# Altium PCB tools.PcbDoc (part 2 of 2)
Units mil, origin at the board's own origin, x right, y up, seen from the top; angles counter-clockwise.
Board outline 3234.68 x 4248.06 mil, 2 copper layers (Top Layer, Bottom Layer); 96 components, 68 nets, 398 pads, 109 vias.
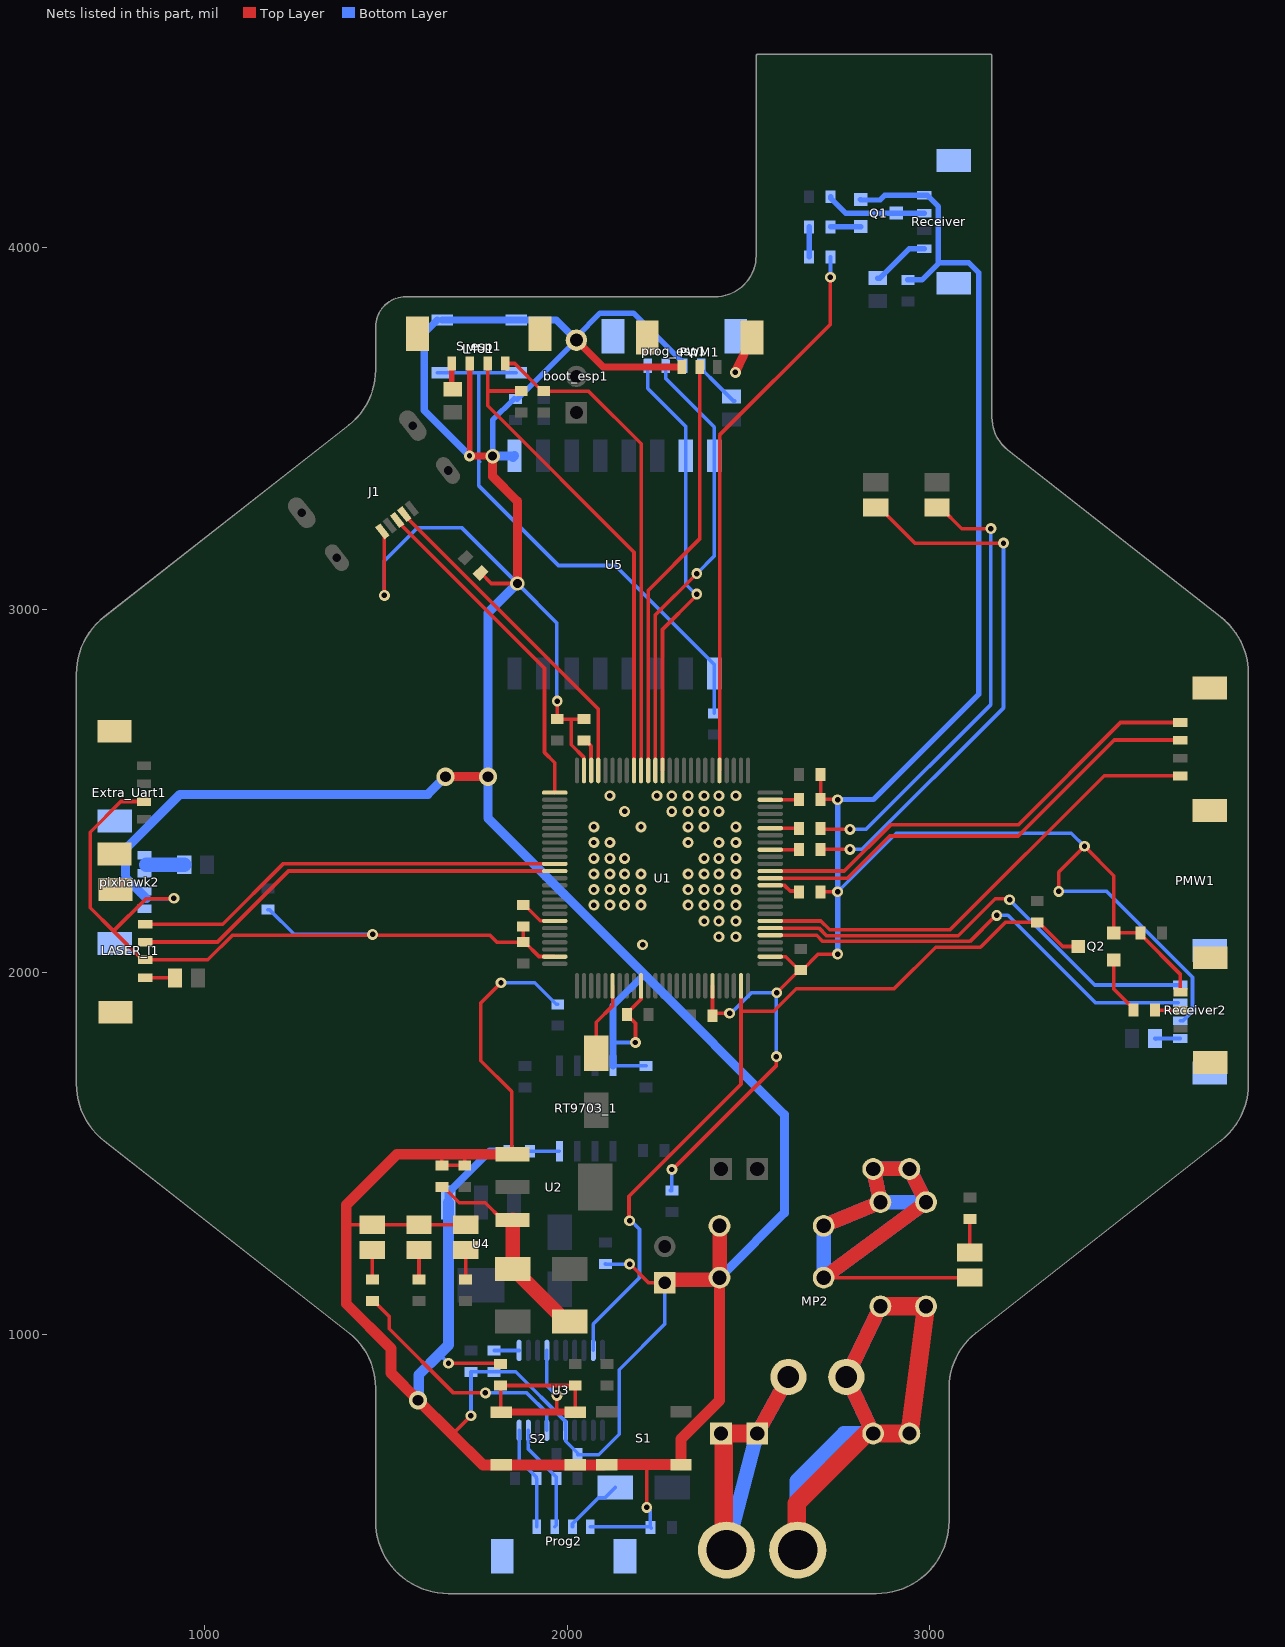
[diagram p2: the nets of this part, all layers, seen from the top]

## Via types
v1: diameter 30, hole 15, Top Layer to Bottom Layer, tented both sides, 102 vias
v2: diameter 50, hole 30, Top Layer to Bottom Layer, tented both sides, 3 vias
v3: diameter 40, hole 25, Top Layer to Bottom Layer, tented both sides, 3 vias
v4: diameter 40, hole 20, Top Layer to Bottom Layer, tented both sides, 1 vias

## Nets (pads, with @x,y where several pads share a name; then routed paths per layer and width w, separated by ;. In a path a pad name is that pad's centre, name@x,y a point inside that pad or via, vN(x,y) a via of type N, cw(c..) or ccw(c..) an arc to the next point about the centre after c; other vN are vias at no path point) (continued)
GND: 3.1 boot_esp1.3 C1.2 C2.2 C3.1 C4.1 C5.1 C6.1 C7.1 C8.1 C9.1 C11.1 C12.1 C13.1 C14.2 C15.2 C16.2 C17.1 C18.1 C19.1 C20.1 C25.1 C26.1 Extra_Uart1.0 Extra_Uart1.2 FB8.2 FB10.2 IMU1.0 IMU1.2 ipCamera?.1 J1.5 LASER_I1.0 LASER_I1.2 LED3.1 LEDT2.1 ON1.1 pixhawk2.0 pixhawk2.3 pixhawk2.4 PMW1.0 PMW1.GND Prog2.0 Prog2.4 prog_esp1.0 prog_esp1.2 PWM1.0 PWM1.1 Q1.3 Q2.3 R4.2 R7.1 R9.2 R16.1 R20.1 Receiver2.0 Receiver2.1 Receiver.0 Receiver.4 RT9703_1.GND S1.2 S2.1 S_esp1.2 U1.10 U1.20 U1.27 U1.74 U1.99 U2.1 U3.15 U4.1 U5.9 | length 24240.4
  Top Layer w10: Extra_Uart1.2@832,2471 767.83,2471 683,2386.17 683,2178.13 747.56,2113.56 ; v1@914,2203 837,2203 747.56,2113.56 ; 1390,1123 1393,1120 ; 1390,1300 1393,1303 LEDT2.1@1462,1303 ON1.1@1590.59,1303 LED3.1@1719.18,1303 ; J1.5@1489.82,3216.64 1489.82,3214.47 1495,3209.29 v1(1495,3040) ; 1654.74,1497.55 1653.87,1496.68 C3.1@1653.87,1466.96 C4.1@1716.77,1466.96 ; v1(1672,921) 1813.53,921 C11.1@1816,918.53 ; 1682.5,724.5 v1(1734,776) ; 1716.77,1497.55 C4.1@1716.77,1466.96 ; C4.1@1720.71,1466.96 C4.1@1716.77,1466.96 ; v1(1730,3425) v1@1730.5,3424.5 ; IMU1.2@1730.39,3679.61 IMU1.2@1730.79,3680 ; C9.1@1760.88,3102 1790.16,3072.71 v3(1862.29,3072.71) ; v3@1793.5,3424.5 v3(1794,3424) ; v1(1817,1971) 1760.88,1914.88 1760.88,1756 1846.28,1670.6 U2.1@1846.28,1497.55 ; U2.1@1834.27,1497.55 U2.1@1846.28,1497.55 ; U2.1@1849,1497.72 U2.1@1848.83,1497.55 ; U2.1@1861.83,1497.55 U2.1@1848.83,1497.55 ; R9.2@1878.25,2126.13 C7.1@1878.25,2082.83 ; U1.99@1965.39,2043.01 1965.05,2043.35 1921.66,2043.35 1882.19,2082.83 C7.1@1878.25,2082.83 ; C26.1@1972,2695.74 C26.1@1972,2698.53 v1(1972,2748.21) ; C26.1@1984,2698.53 2008,2698.53 ; U1.74@2046.1,2556.79 2045.76,2557.13 2045.76,2592.77 2011,2627.52 2011,2695.53 2008,2698.53 ; C2.2@2046.1,2698.53 2008,2698.53 ; v1@2173.23,1193.9 2224.13,1143 ipCamera?.1@2269,1143 ; v1(2188,1806) 2188,1859.47 C6.1@2164.47,1883 2164.47,1886.94 2203.24,1925.7 2203.24,1961.95 U1.10@2203.58,1962.3 ; 2218,641 2219,640 v1(2219,523) ; 2233,648 2240,641 ; v1(2288.53,1455.53) 2290.17,1455.53 2336.87,1502.23 2577,1742.35 v1(2577,1767) ; U1.20@2400.43,1962.3 2400.66,1962.07 2400.66,1880.23 C5.1@2400.89,1880 2407.37,1886.48 2447.86,1886.48 v1(2448,1886.62) ; U1.27@2559.88,2043.01 2560.23,2042.66 2602.87,2042.66 C8.1@2640.06,2005.47 ; v1(2577.8,1943.2) C8.1@2640.06,2005.47 ; R7.1@2698.91,2221 2698.91,2218.78 2702.13,2222 v1(2746,2222) ; C25.1@2698.91,2545.59 C1.2@2698.91,2477 2741,2477 v1@2740,2476 ; v1@2743,2050 2692.46,2050 2647.94,2005.47 C8.1@2644,2005.47 C8.1@2640.06,2005.47 ; v1(3356,2223) 3356,2276.28 v1(3427.17,2347.44) 3508.21,2266.39 Q2.3@3508.21,2108.4 C20.1@3581.47,2108.4 3581.47,2104.46 3691,1994.94 3691,1945.83 Receiver2.1@3692.31,1944.53 ; 747.56,2113.56 827.13,2034 LASER_I1.2@835,2034 1007.87,2034 1075.87,2102 1786.65,2102 1805.83,2082.83 C7.1@1878.25,2082.83 ; U2.1@1846.28,1497.55 1846.28,1495 U2.1@1848.83,1497.55 ; U2.1@1846.28,1497.55 U2.1@1848.83,1497.55
  Top Layer w15: v1@1730.39,3431.61 IMU1.2@1730.39,3679.61
  Top Layer w20: v1@1730.5,3424.5 v3@1793.5,3424.5 ; boot_esp1.3@2025,3744.3 2099.3,3670 PWM1.1@2315.79,3670
  Top Layer w25: v2(1663.5,2539.5) v2@1777.5,2539.5 ; v2(1781,2539.5) v2@1777.5,2539.5 ; v2@1781,2543 v2@1777.5,2539.5 ; v3(1794,3424) 1794,3368 1862.29,3299.71 v3(1862.29,3072.71) ; v1(2463.58,3655.27) PWM1.0@2509.68,3751.69
  Top Layer w30: 1680,727 v2(1588.1,818.9) 1513,894 1513,962 1390,1085 1390,1123 1390,1300 1390,1357.47 1530.08,1497.55 1654.74,1497.55 1716.77,1497.55 U2.1@1834.27,1497.55 ; 1682.5,724.5 1767,640 1816.95,640 S2.1@1817.28,640.33 S2.1@2022,640.33 S1.2@2100.28,640.33 ; S1.2@2109,641 2218,641 2240,641 S1.2@2313.72,641 2313.72,711.7 2419.98,817.95 FB8.2@2419.98,1157 FB8.2@2414.24,1151.26 ; ipCamera?.1@2269,1143 ipCamera?.1@2277.26,1151.26
  Top Layer w40: ipCamera?.1@2277.26,1151.26 FB8.2@2414.24,1151.26 ; FB8.2@2419.98,1157 FB10.2@2419.98,1300
  Bottom Layer w10: 838.5,2203.5 839,2203 v1@914,2203 ; C18.1@1174,2172.47 1177.94,2172.47 1245.98,2104.43 v1(1462.67,2104.43) ; v1(1495,3040) 1495,3134.69 1587.31,3227 1708,3227 v3(1862.29,3072.71) 1971,2964 v1@1971,2753 ; S_esp1.2@1640.96,3800 S_esp1.2@1654.74,3800 ; 1650,949 1650,943 v1(1672,921) ; v1(1734,776) 3.1@1734,897.02 R16.1@1798,897.02 1857.98,897.02 1994.8,760.2 U3.15@1994.8,735.76 1995.52,735.04 1995.52,705.58 C13.1@2028.53,672.57 ; v1(1817,1971) 1910.31,1971 1969.78,1911.53 C15.2@1973.72,1911.53 ; R4.2@1853,3581.59 R4.2@1862.29,3581.59 ; R4.2@1853.06,3582.53 R4.2@1857,3582.53 ; boot_esp1.3@2025,3744.3 boot_esp1.3@2025,3753.39 ; C13.1@2028.53,668.63 2086.4,668.63 2143,725.23 2143,903 2269,1029 ipCamera?.1@2269,1143 ipCamera?.1@2264,1138 ; Prog2.4@2063.43,470 2227.5,470 C12.1@2229,468.5 ; C14.2@2105.31,1194.88 2105.81,1194.39 v1(2171.75,1194.39) 2172.24,1194.88 v1@2173.23,1193.9 ; RT9703_1.GND@2125.82,1742.11 2126.4,1741.53 C19.1@2217,1741.53 ; 2133,1806 v1(2188,1806) ; v1(2219,523) 2229,513 C12.1@2229,468.5 ; C12.1@2232,465.5 C12.1@2229.47,468.03 C12.1@2229,468.5 ; C16.2@2284.59,1397.53 C16.2@2288.53,1397.53 v1(2288.53,1455.53) ; prog_esp1.2@2320.32,3673.31 prog_esp1.2@2320.32,3681.18 ; v1(2448,1886.62) 2451.39,1886.62 2507.98,1943.2 v1(2577.8,1943.2) 2577,1942.41 v1(2577,1767) ; v1(2746,2222) 2907.86,2383.86 3390.75,2383.86 v1(3427.17,2347.44) ; v1(3356,2223) 3488.61,2223 3725.39,1986.22 3725.39,1892.49 3699.18,1866.28 PMW1.GND@3691.31,1866.28
  Bottom Layer w15: v3(1794,3424) 1794,3523.46 R4.2@1853.06,3582.53 ; R4.2@1862.29,3581.59 boot_esp1.3@2025,3744.3 ; boot_esp1.3@2025,3753.39 2090.61,3819 2182.5,3819 prog_esp1.2@2320.32,3681.18 ; v1(2746,2050) v1(2746,2222) v1(2746,2476) ; v1(2746,2476) 2844.68,2476.68 3135,2767 3135,3930.63 3107.63,3958 3025.76,3958 3024,3956.24 ; Q1.3@2809.79,4132.4 2808.8,4132.4 2810.2,4131 2863,4131 2876.21,4144.21 Receiver.4@2985,4144.21 2992.87,4144.21 3024,4113.09 3024,3956.24 ; C17.1@2940,3910.53 2978.29,3910.53 3024,3956.24
  Bottom Layer w20: S_esp1.2@1640.96,3800 1605.12,3764.16 1605.12,3549.88 v1(1730,3425) ; S_esp1.2@1654.74,3800 S_esp1.2@1859.47,3800 1969.3,3800 boot_esp1.3@2020.46,3748.85 ; U4.1@1671.45,1364.17 1671.45,1391.73 1785.61,1505.89 1836.47,1505.89 R20.1@1836.97,1506.39 ; RT9703_1.GND@2125.82,1742.11 2125.82,1806 2125.82,1907.82 2211.98,1993.98
  Bottom Layer w25: 838.5,2203.5 781,2261 781,2341 931,2491 1615,2491 v2(1663.5,2539.5) ; v3(1794,3424) 1847.21,3424 1850.21,3421 U5.9@1854.41,3425.2 ; v3(1862.29,3072.71) 1781,2991.43 v2(1781,2539.5) 1781,2424.96 2211.98,1993.98 2599,1606.96 2599,1336 FB8.2@2441,1178
  Bottom Layer w30: v2(1588.1,818.9) 1589.9,820.69 1589.9,888.9 1650,949 1672,971 1672,1363.62 U4.1@1671.45,1364.17 ; ipCamera?.1@2269,1143 2277.26,1151.26 2414.24,1151.26 FB8.2@2419.98,1157 FB10.2@2419.98,1300
  other v1: 2207.68,2075.79 2418.24,2098 2465.24,2098 2377.24,2141 2418.24,2141 2465.24,2141 2073.24,2185 2117.24,2185 2158.24,2185 2203.24,2185 2333.24,2185 2377.24,2185 2418.24,2185 2465.24,2185 914,2204 2073.24,2228 2117.24,2228 2158.24,2228 2203.24,2228 2333.24,2228 2377.24,2228 2418.24,2228 2465.24,2228 2073.24,2271 2117.24,2271 2158.24,2271 2203.24,2271 2333.24,2271 2377.24,2271 2418.24,2271 2465.24,2271 2073.24,2314 2117.24,2314 2158.24,2314 2377.24,2314 2418.24,2314 2465.24,2314 2073.24,2358 2117.24,2358 2333.24,2358 2418.24,2358 2465.24,2358 2073.24,2401 2203.24,2401 2333.24,2401 2377.24,2401 2465.24,2401 2158.24,2444 2288.24,2444 2333.24,2444 2377.24,2444 2418.24,2444 2117.24,2487 2247.24,2487 2288.24,2487 2333.24,2487 2377.24,2487 2418.24,2487 2465.24,2487
LEDB: R10.2 U1.42 | length 80
  Top Layer w10: U1.42@2559.88,2338.28 R10.2@2639.86,2338.28
LEDG: R11.2 U1.45 | length 80.4
  Top Layer w10: U1.45@2559.88,2397.34 2638.87,2397.34 R11.2@2639.86,2396.35
LEDT1: R26.1 U3.17 | length 685.4
  Top Layer w10: R26.1@1462,1092.47 1465.94,1092.47 1508.36,1050.05 1508.36,1016.25 1685.61,839 v1(1774,839)
  Bottom Layer w10: v1@1766.47,841 1768.47,839 v1(1774,839) 1888,839 1943.61,783.39 U3.17@1943.61,735.76
MGND: FB8.1 FB9.2 FB10.1 FB11.2 LED4.1 MP2.GND2 | length 2300.9
  Top Layer w10: FB8.1@2707.38,1157 LED4.1@3105,1157
  Top Layer w40: FB8.1@2707.38,1157 FB11.2@2990,1365.4 MP2.GND2@2944,1457 MP2.GND2@2844,1457 FB9.2@2864,1365.4 FB10.1@2707.38,1300
  Bottom Layer w40: FB9.2@2864,1365.4 FB10.1@2707.38,1300 FB8.1@2707.38,1157 FB11.2@2990,1365.4 ; FB9.2@2864,1365.4 MP2.GND2@2844,1457 MP2.GND2@2944,1457 FB11.2@2990,1365.4 ; FB9.2@2864,1365.4 FB11.2@2990,1365.4
"Micro Rx(laser_Tx)": LASER_I1.3 U1.87 | length 1211.6
  Top Layer w10: LASER_I1.3@835,2083.21 1034.45,2083.21 1230.47,2279.23 U1.87@1965.39,2279.23
"Micro Tx(laser_Rx)": LASER_I1.4 U1.86 | length 1199.4
  Top Layer w10: LASER_I1.4@835,2132.43 1048.76,2132.43 1215.25,2298.91 U1.86@1965.39,2298.91
Micro_Rx(ESP_Tx): prog_esp1.3 U1.64 U5.16 | length 1239.6
  Top Layer w10: U1.64@2242.95,2556.79 2242.95,2985.95 v1(2357,3100)
  Bottom Layer w10: prog_esp1.3@2271.1,3673.31 2271.33,3673.08 2271.33,3638.62 2405.59,3504.36 U5.16@2405.59,3425.2 2405.59,3148.59 v1(2357,3100)
Micro_Rx(Sbus_Tx): 4.1 Q2.1 U1.24 U3.9 | length 2258.7
  Top Layer w10: v1@2176.18,1313.98 2170.28,1319.88 2170.28,1381.74 2479.17,1690.63 2479.17,1892 ; U1.24@2479.17,1962.3 2479.17,1892 ; Q2.1@3409.79,2071 3367.41,2071 3300.94,2137.47 4.1@3297,2137.47 3208.47,2137.47 3140,2069 3016.37,2069 2901.37,1954 2632,1954 2570,1892 2479.17,1892
  Bottom Layer w10: U3.9@2071.57,956.24 2071.57,1029 2199.23,1156.66 2199.23,1290.93 v1@2176.18,1313.98
  other v1: 2171.75,1313.98
Micro_Tx(ESP_Rx): prog_esp1.4 U1.63 U5.15 | length 1209.4
  Top Layer w10: U1.63@2262.64,2556.79 2262.64,2945.64 2354.33,3037.33 v1@2354.33,3043.31
  Bottom Layer w10: prog_esp1.4@2221.89,3673.31 2221.89,3611.11 2326.85,3506.15 U5.15@2326.85,3425.2 2326.85,3070.79 v1@2354.33,3043.31
  other v1: 2357,3043.31
Micro_Tx(Sbus_Rx): R2.1 U1.55 | length 1544.1
  Top Layer w10: U1.55@2420.12,2556.79 2420.12,3482.32 2726,3788.2 v1(2726,3918)
  Bottom Layer w10: v1(2726,3918) 2726.26,3918.26 2726.26,3973.74 R2.1@2726.53,3974
"MISO SPI": PMW1.MISO U1.31 | length 1275.8
  Top Layer w10: U1.31@2559.88,2121.75 2694.25,2121.75 2715,2101 3079,2101 3181.1,2203.1 3217.17,2203.1 v1(3220.47,2199.8)
  Bottom Layer w10: v1(3220.47,2199.8) 3455.57,1964.7 PMW1.MISO@3686,1964.7
"MOSI SPI": PMW1.MOSI U1.32 | length 1320.2
  Top Layer w10: U1.32@2559.88,2141.43 2699.57,2141.43 2724,2117 3056.31,2117 3481.31,2542 PMW1.MOSI@3693.87,2542
"MOTION PMW": PMW1.MOTION U1.39 | length 1303.8
  Top Layer w10: U1.39@2559.88,2279.23 2764.46,2279.23 2891.73,2406.5 3244.09,2406.5 3526.71,2689.11 PMW1.MOTION@3691.31,2689.11 PMW1.MOTION@3693.87,2689.11
Net1_2: 1.1 R10.1 | length 1514.9
  Top Layer w10: R10.1@2698.91,2338.28 2699.63,2339 v1(2780,2339) ; 1.1@2851,3282.23 2861,3282.23 2959.18,3184.06 v1(3203.74,3184.06)
  Bottom Layer w10: v1(2780,2339) 2813.43,2339 3203.74,2729.31 v1(3203.74,3184.06)
Net2_2: 2.1 R11.1 | length 1272
  Top Layer w10: R11.1@2698.91,2396.35 2701.12,2394.14 v1(2780,2394.14) ; 2.1@3020,3282.23 3030,3282.23 3088.23,3224 v1(3169,3224)
  Bottom Layer w10: v1(2780,2394.14) 2824.14,2394.14 3169,2739 v1(3169,3224)
NetC1_1: C1.1 U1.49 | length 80.4
  Top Layer w10: U1.49@2559.88,2476.08 2638.94,2476.08 C1.1@2639.86,2477
NetC2_1: C2.1 U1.73 | length 93.1
  Top Layer w10: C2.1@2046.1,2639.47 2050.04,2639.47 2065.44,2624.07 2065.44,2557.13 U1.73@2065.79,2556.79
NetC3_2: C3.2 D1.2 D2.2 U2.3 | length 636.2
  Top Layer w10: C3.2@1653.87,1407.91 C3.2@1657.81,1407.91 ; C3.2@1665.09,1407.91 C3.2@1657.81,1407.91 ; U2.3@1848.83,1316.45 1821.27,1316.45 1773.72,1364 1701.72,1364 C3.2@1657.81,1407.91
  Top Layer w20: D1.2@1848.83,1174.09 1847,1172.26 D1.2@1850.26,1169 ; U2.3@1848.83,1316.45 U2.3@1861.83,1316.45
  Top Layer w40: D1.2@1848.83,1174.09 U2.3@1848.83,1316.45 ; D1.2@1850.26,1169 1862.99,1169 2007.99,1024 D2.2@2023.74,1024
NetD3_2: D3.2 Prog2.3 | length 167.4
  Bottom Layer w10: Prog2.3@2014.21,470 2014.21,477.87 2085.87,549.54 2103.8,549.54 D3.2@2132.26,578
NetDSHOT1_1: DSHOT1.2 U1.6 | length 204.1
  Top Layer w10: DSHOT1.2@2080,1776.74 2080,1862 2124.84,1906.84 U1.6@2124.84,1962.3
NetFB1_2: FB1.2 prog_esp1.1 | length 137.2
  Bottom Layer w10: prog_esp1.1@2369.53,3673.31 2369.53,3665.43 2415.96,3619 2458.46,3576.5 FB1.2@2462,3576.5
NetFB3_2: FB3.2 Receiver.1 | length 161.6
  Bottom Layer w15: FB3.2@2857,3915.5 2862.91,3915.5 2943.98,3996.57 Receiver.1@2985,3996.57
NetFB4_2: FB4.2 PMW1.3V3 | length 74.5
  Bottom Layer w10: FB4.2@3622.39,1817.96 FB4.2@3621.5,1817.06 ; FB4.2@3623.92,1814.64 FB4.2@3621.5,1817.06 ; PMW1.3V3@3691.31,1817.06 FB4.2@3621.5,1817.06
NetFB5_2: FB5.2 IMU1.1 | length 72.5
  Top Layer w10: FB5.2@1681.57,3610.92 FB5.2@1684,3608.5
  Top Layer w15: FB5.2@1681.57,3610.92 IMU1.1@1681.57,3680
NetFB12_2: FB12.2 pixhawk2.1 pixhawk2.2 | length 105.6
  Bottom Layer w40: 838,2297 942.46,2297 942.77,2296.69 FB12.2@942.77,2296
NetFB?_1: FB?.1 LASER_I1.1 | length 82.8
  Top Layer w10: LASER_I1.1@835,1984.79 916.72,1984.79 FB?.1@917.5,1984
NetLED3_1: LED3.2 R22.2 | length 81.5
  Top Layer w10: R22.2@1719.18,1151.53 LED3.2@1719.18,1233
NetLED4_1: LED4.2 R23.2 | length 93.2
  Top Layer w10: LED4.2@3111,1221 LED4.2@3112,1222 ; LED4.2@3111,1227 R23.2@3111,1318.74
NetLEDT2_1: LEDT2.2 R26.2 | length 81.5
  Top Layer w10: R26.2@1462,1151.53 LEDT2.2@1462,1233
NetON1_1: ON1.2 R12.1 | length 81.5
  Top Layer w10: R12.1@1590.59,1151.53 ON1.2@1590.59,1233
NetQ1_2: Q1.2 R3.1 | length 83.5
  Bottom Layer w15: R3.1@2726.53,4057 2726.83,4057.3 2808.5,4057.3 2808.8,4057.6 Q1.2@2809.79,4057.6
NetQ2_2: Q2.2 R28.2 | length 167.7
  Top Layer w10: Q2.2@3508.21,2033.6 3508.21,1953.51 3562.47,1899.25 R28.2@3562.47,1898.98 ; R28.2@3561.21,1900.24 R28.2@3562.47,1898.98 ; R28.2@3562.47,1895.32 R28.2@3562.47,1898.98 ; R28.2@3566.13,1895.32 R28.2@3562.47,1898.98
NetR2_2: R2.2 R3.2 | length 83
  Bottom Layer w15: R2.2@2667.47,3974 R3.2@2667.47,4057
NetR7_2: R7.2 U1.37 | length 87.8
  Top Layer w10: U1.37@2559.88,2239.86 2560.23,2239.51 2599.49,2239.51 2615,2224 2636.86,2224 R7.2@2639.86,2221
NetR9_1: R9.1 U1.94 | length 105.3
  Top Layer w10: R9.1@1878.25,2185.19 1882.19,2185.19 1925.6,2141.78 1965.05,2141.78 U1.94@1965.39,2141.43
NetR16_2: R16.2 U3.1 | length 68.9
  Bottom Layer w10: R16.2@1798,956.08 1866.68,956.08 U3.1@1866.84,956.24
NetR20_2: R20.2 RT9703_1.IP | length 81.7
  Bottom Layer w10: R20.2@1896.53,1505.89 1977.96,1505.89 1978.07,1506 RT9703_1.IP@1978.18,1505.89
PGND: C10.1 FB9.1 FB11.1 MP2.GND1 VBAT2.- | length 2866.7
  Top Layer w40: VBAT2.-@2633,419.5 VBAT2.-@2652.5,400 ; C10.1@2779,892 C10.1@2770,883 ; MP2.GND1@2826,727 MP2.GND1@2844,727 C10.1@2770,883 ; FB9.1@2864,1078 C10.1@2770,883
  Top Layer w50: VBAT2.-@2633,419.5 2633,534 MP2.GND1@2826,727 ; MP2.GND1@2844,727 MP2.GND1@2944,727 FB11.1@2990,1078 FB9.1@2864,1078
  Bottom Layer w40: VBAT2.-@2652.5,400 2633,419.5 2633,597 2763,727 MP2.GND1@2844,727 ; C10.1@2779,892 C10.1@2770,883 ; C10.1@2770,883 FB9.1@2864,1078 FB11.1@2990,1078 MP2.GND1@2944,727 MP2.GND1@2844,727 ; C10.1@2770,883 MP2.GND1@2844,727
PWM: PWM1.2 U1.65 | length 1171.9
  Top Layer w10: U1.65@2223.27,2556.79 2223.27,3053.6 2365,3195.33 PWM1.2@2365,3670
reset_esp: R6.1 S_esp1.1 U5.1 | length 1521.5
  Bottom Layer w10: S_esp1.1@1640.96,3654.33 S_esp1.1@1654.74,3654.33 1756,3654.33 ; 1757.5,3408.5 1756,3410 ; S_esp1.1@1859.47,3654.33 1756,3654.33 ; R6.1@2405.59,2714.53 U5.1@2405.59,2824.8 2405.59,2849.41 2132.6,3122.4 1975.6,3122.4 1756,3342 1756,3410 ; 1756,3410 1756,3654.33
RST: C11.2 R15.2 S2.2 U3.4 | length 740.2
  Top Layer w10: S2.2@1817.28,786 1816,787.28 C11.2@1816,859.47 R15.2@2022,859.47 S2.2@2022,786 ; 1970,786 1971,787 v1(1971,832)
  Top Layer w20: S2.2@1817.28,786 1970,786 S2.2@2022,786
  Bottom Layer w10: U3.4@1943.61,956.24 1943.61,859.39 v1(1971,832)
"RST PMW": PMW1.RST U1.38 | length 1292
  Top Layer w10: U1.38@2559.88,2259.54 2773.17,2259.54 2889.63,2376 3244.11,2376 3509.11,2641 PMW1.RST@3693.87,2641
"SCK SPI": PMW1.CLK U1.30 | length 1261.2
  Top Layer w10: U1.30@2559.88,2102.06 2687.94,2102.06 2705,2085 3111,2085 3181,2155 v1@3184,2155
  Bottom Layer w10: v1(3185,2157) 3215.81,2157 3457.32,1915.49 PMW1.CLK@3686,1915.49
SCL-BOARD: IMU1.3 R14.2 U1.67 | length 1383.7
  Top Layer w10: IMU1.3@1780,3680 1780,3604 ; R14.2@1873,3603.53 1872.53,3604 1780,3604 ; U1.67@2183.9,2556.79 2183.9,3159.1 1780,3563 1780,3604
SDA-BOARD: IMU1.4 R13.2 U1.66 | length 1367.7
  Top Layer w10: IMU1.4@1829.21,3680 1854.53,3680 R13.2@1931,3603.53 ; R13.2@1931.06,3603.53 R13.2@1935,3603.53 2058.47,3603.53 2203.58,3458.42 U1.66@2203.58,2556.79
SWCLK: J1.3 U1.76 | length 932.8
  Top Layer w10: J1.3@1530.09,3248.23 1530.09,3246.05 1937,2839.14 1937,2606.56 1965.39,2578.16 U1.76@1965.39,2495.76
"SWCLK F0": Prog2.1 R18.2 U3.20 | length 286
  Bottom Layer w10: U3.20@1866.84,735.76 1866.84,654.62 1914.53,606.94 R18.2@1914.53,603 1915.16,602.37 1915.16,470.63 Prog2.1@1915.79,470
SWDIO: J1.2 U1.72 | length 928.9
  Top Layer w10: J1.2@1550.23,3264.02 1550.23,3261.84 2085.47,2726.6 U1.72@2085.47,2556.79
"SWDIO F0": Prog2.2 R17.2 U3.19 | length 299.5
  Bottom Layer w10: U3.19@1892.43,735.76 1892.43,683.98 1969.47,606.94 R17.2@1969.47,603 1969.47,474.47 Prog2.2@1965,470
UART_Receive: R28.1 Receiver2.2 | length 70.9
  Top Layer w10: R28.1@3621.53,1895.32 Receiver2.2@3692.31,1895.32 ; R28.1@3627.19,1895.32 R28.1@3627.29,1895.21
UART_SEND: Q1.1 R1.1 Receiver.3 | length 281.5
  Bottom Layer w15: R1.1@2726.53,4140 2726.53,4136.06 2767.59,4095 Q1.1@2908.21,4095 ; Q1.1@2907.21,4094 Q1.1@2908.21,4095 ; Q1.1@2908.71,4094.5 Q1.1@2908.21,4095 ; Receiver.3@2985,4095 Q1.1@2908.21,4095
VBAT: C10.2 MP2.Vi VBAT2.+ | length 1545.7
  Top Layer w40: MP2.Vi@2424,727 MP2.Vi@2431.5,719.5 ; VBAT2.+@2431.5,412.5 VBAT2.+@2439,405 ; MP2.Vi@2524,727 C10.2@2610,883
  Top Layer w50: MP2.Vi@2424,727 MP2.Vi@2524,727 ; VBAT2.+@2431.5,412.5 MP2.Vi@2431.5,719.5
  Bottom Layer w40: C10.2@2610,883 MP2.Vi@2524,727 ; MP2.Vi@2524,727 VBAT2.+@2439,405 2431.5,412.5 2431.5,719.5 MP2.Vi@2424,727 MP2.Vi@2524,727
pads on no net: J1.4 J1.P1 J1.P2 J1.P3 J1.P4 U1.1 U1.2 U1.3 U1.4 U1.5 U1.7 U1.8 U1.9 U1.12 U1.13 U1.15 U1.16 U1.17 U1.18 U1.25 U1.26 U1.29 U1.33 U1.35 U1.36 U1.40 U1.41 U1.43 U1.44 U1.46 U1.47 U1.48 U1.51 U1.52 U1.53 U1.54 U1.57 U1.58 U1.59 U1.60 U1.61 U1.62 U1.68 U1.69 U1.70 U1.71 U1.77 U1.80 U1.81 U1.82 U1.83 U1.84 U1.85 U1.88 U1.89 U1.90 U1.91 U1.92 U1.93 U1.95 U1.96 U1.97 U1.98 U3.2 U3.3 U3.6 U3.7 U3.8 U3.10 U3.11 U3.13 U3.14 U3.18 U5.2 U5.4 U5.5 U5.6 U5.7 U5.13 U5.14

## Polygon pours and split planes (outlines as drawn)
GND on Top Layer "Top Layer-No Net" (solid, shelved, pour order 2): 721.87,1534.1 1397.11,1004.55 cw(c1278.07,852.76) 1470.97,852.76 1470.97,485.79 ccw(c1671.77,485.79) 1671.77,284.99 2852.88,284.99 ccw(c2852.88,485.79) 3053.68,485.79 3053.68,852.76 cw(c3246.58,852.76) 3127.54,1004.55 3802.78,1534.1 ccw(c3678.86,1692.11) 3879.67,1692.11 3879.67,2822.77 ccw(c3678.86,2822.77) 3802.78,2980.78 3215.5,3441.35 cw(c3285.95,3531.18) 3215.48,3441.36 cw(c3285.95,3531.18) 3171.79,3531.18 3171.79,4529.09 ccw(c3167.84,4529.09) 3167.84,4533.05 2525.01,4533.05 ccw(c2525.01,4529.09) 2521.05,4529.09 2521.05,3977.91 cw(c2406.9,3977.91) 2406.9,3863.76 1553.66,3863.76 ccw(c1553.66,3781.06) 1470.97,3781.06 1470.97,3662.12 cw(c1278.07,3662.12) 1397.11,3510.33 721.87,2980.78 ccw(c845.79,2822.77) 644.99,2822.77 644.99,1692.11 ccw(c845.79,1692.11)
GND on Bottom Layer "Top Layer-No Net1" (solid, shelved, pour order 3): 721.87,1534.1 1397.11,1004.55 cw(c1278.07,852.76) 1470.97,852.76 1470.97,485.79 ccw(c1671.77,485.79) 1671.77,284.99 2852.88,284.99 ccw(c2852.88,485.79) 3053.68,485.79 3053.68,852.76 cw(c3246.58,852.76) 3127.54,1004.55 3802.78,1534.1 ccw(c3678.86,1692.11) 3879.67,1692.11 3879.67,2822.77 ccw(c3678.86,2822.77) 3802.78,2980.78 3215.5,3441.35 cw(c3285.95,3531.18) 3215.48,3441.36 cw(c3285.95,3531.18) 3171.79,3531.18 3171.79,4529.09 ccw(c3167.84,4529.09) 3167.84,4533.05 2525.01,4533.05 ccw(c2525.01,4529.09) 2521.05,4529.09 2521.05,3977.91 cw(c2406.9,3977.91) 2406.9,3863.76 1553.66,3863.76 ccw(c1553.66,3781.06) 1470.97,3781.06 1470.97,3662.12 cw(c1278.07,3662.12) 1397.11,3510.33 721.87,2980.78 ccw(c845.79,2822.77) 644.99,2822.77 644.99,1692.11 ccw(c845.79,1692.11)

## Keep-outs
Keep-Out Layer:
  circle w10: c1711.14,525.59 r59.84
  circle w10: c2813.98,526.57 r59.84
  circle w10: c3738.19,2256.89 r59.84
  circle w10: c2942,2257.44 r59.84
  circle w10: c1660.43,2859.25 r63.6
  circle w10: c1660.95,1658.46 r63.6
  circle w10: c2862.2,1657.48 r63.6
  circle w10: c2861,2858.82 r63.6
  circle w10: c2846.46,4410.98 r39.01
  circle w10: c2846.46,3662.4 r39.01
  circle w10: c3303.55,2618.11 r39.01
  circle w10: c3057.09,2812.01 r39.01
  circle w10: c3547.24,2926.18 r39.01
  circle w10: c3299.67,3120.94 r39.01
  circle w10: c2656.5,1863.19 r39.01
  circle w10: c1868.11,1863.74 r39.01
  circle w10: c1868.11,2651.67 r39.01
  circle w10: c2655.51,2650.59 r39.01
  circle w10: c3547.24,1588.31 r39.01
  circle w10: c3303.55,1898.98 r39.01
  circle w10: c3056.31,1703.74 r39.01
  circle w10: c3298.67,1394.68 r39.01
  circle w10: c1220.26,1897.64 r39.01
  circle w10: c1469.49,1702.76 r39.01
  circle w10: c1226.38,1393.7 r39.01
  circle w10: c978.15,1587.6 r39.01
  circle w10: c1468.94,2811.02 r39.01
  circle w10: c1225.99,3120.08 r39.01
  circle w10: c978.35,2926.18 r39.01
  circle w10: c1221.46,2617.13 r39.01
  lines w7.87: 723.8,2978.1 ccw(c845.27,2823.2) 648.42,2823.2 648.42,1692.54 ccw(c845.27,1692.54) 723.8,1537.65 1399.04,1008.1 cw(c1277.56,853.2) 1474.41,853.2 ; 723.8,2978.4 1399.04,3507.95 ; 1399.04,3507.65 ccw(c1277.56,3662.55) 1474.41,3662.55 1474.41,3781.5 cw(c1553.15,3781.5) 1553.15,3860.24 2406.38,3860.24 ccw(c2406.38,3978.35) 2524.49,3978.35 2524.49,4529.53 3167.32,4529.53 3167.32,3531.61 ccw(c3285.43,3531.61) 3212.55,3438.67 ; 3124.59,1008.09 ccw(c3246.06,853.2) 3049.21,853.2 3049.21,486.22 cw(c2852.36,486.22) 2852.36,289.37 1671.26,289.37 cw(c1671.26,486.22) 1474.41,486.22 ; 3213.61,3437.61 3799.83,2978.1 cw(c3678.35,2823.2) 3875.2,2823.2 3875.2,1692.54 cw(c3678.35,1692.54) 3799.83,1537.65 ; 1474.41,486.22 1474.41,853.2 ; 1474.41,486.22 1474.41,853.2
  lines w8.78: 3125.04,1008.55 3799.83,1537.65

## Other copper
Top Layer:
  rectangle net 3V3: 1959,1983 1990,2018
  pour cut-out: 3354.59,1167.04 2924.8,1740.45 cw(c2970.51,1774.72) 2913.39,1774.72 2913.39,1819.88 cw(c2972.79,1819.88) 2930.79,1861.89 2956.69,1887.8 3158.46,2043.01 cw(c3201.96,1999.52) 3201.96,2061.02 3252.95,2061.02 cw(c3252.96,2004) 3293.28,2044.32 3326.77,2010.83 3742.59,1472.3
  pour cut-out: 3360.04,3339.06 2929.24,2789.31 ccw(c2996.67,2733.57) 2909.19,2733.57 2909.19,2697.97 ccw(c2984.46,2697.97) 2931.23,2644.75 2952.76,2623.23 3167.32,2460.77 ccw(c3195.84,2489.28) 3195.84,2448.96 3234.25,2448.96 ccw(c3234.25,2536.88) 3296.42,2474.71 3365.57,2543.85 3748.79,3039.08
  pour cut-out: 786.46,3033.03 1212.6,2492.13 1216.77,2487.95 ccw(c1287.48,2558.66) 1287.48,2458.66 1329.72,2458.66 1577.76,2638.78 1580.95,2641.97 ccw(c1510.24,2712.68) 1610.24,2712.68 1610.24,2749.02 ccw(c1550.83,2749.02) 1592.84,2791.02 1582.68,2801.18 1162.47,3337.18
  pour cut-out: 774.43,1480.25 1160.43,1969.49 1210.7,2033.2 cw(c1285.79,1950.28) 1291.34,2062.01 1355.15,2051.02 1495.79,1946.85 1578.25,1870.57 cw(c1506.53,1796.62) 1609.54,1796.62 1609.55,1772.25 cw(c1526.1,1781.07) 1583.44,1719.81 1159.01,1175.79
  region net PGND: 2555.64,398.34 ccw(c2630.84,398.34) 2630.84,323.14 2649.64,323.14 ccw(c2649.64,394.14) 2720.64,394.14 2711.64,455.86 2687,507 cw(c2706.11,522.5) 2681.64,525.05 2681.64,553.15 cw(c2758.29,553.15) 2704.09,607.35 2762.58,665.85 cw(c2816.43,612.01) 2816.43,688.15 2937.6,688.15 ccw(c2934.24,742.69) 2975.18,706.5 ccw(c2937.5,751.04) 2995.64,746.19 2995.64,780.15 3028.64,1052.15 3028.64,1081.25 ccw(c2999.09,1081.26) 3019.98,1102.15 ccw(c2993.43,1075.61) 2993.42,1113.15 2872.44,1113.15 ccw(c2872.43,1065.37) 2838.64,1099.15 2710.41,883.53 2650.38,740.3 2555.64,411.15
  region net VBAT: 2440,321 cw(c2440,406) 2355,406 2355,422 2362,448 ccw(c2275.3,530.58) 2395,533.5 2395,722.44 cw(c2460.01,711.07) 2422.08,765.08 2562.67,905.67 cw(c2619,849.34) 2619,929 cw(c2619,892.44) 2644.86,918.29 2652.66,910.49 cw(c2635.19,893.01) 2659.9,893 2659.9,875.32 cw(c2622.68,875.32) 2649,849 2520,484 2512,454.71 2512.48,449.08 ccw(c2533.19,445.99) 2516.37,433.53 cw(c2495.71,415.7) 2523,415.69 2523,395 cw(c2450.59,394.99) 2501.79,343.79 2494,336 cw(c2457.79,372.2) 2457.79,321
  region net MGND: 2840,1491 2948.37,1491 cw(c2948.37,1465.33) 2966.52,1483.48 2974,1476 3022.98,1378 3022.98,1363.91 cw(c2982.09,1363.91) 3011,1335 2726.53,1126 cw(c2714.46,1138.07) 2714.46,1121 2700,1121 cw(c2700,1143.39) 2684.17,1127.56 2676,1135.72 cw(c2690.49,1150.21) 2670,1150.21 2666,1244 cw(c2784.3,1280.44) 2674.88,1338.33 cw(c2732.03,1312.6) 2703.3,1368.3 2821,1486 cw(c2830.66,1476.35) 2830.66,1490 2840,1490
  pour cut-out: 2759,3472 2445.47,3472 2445.47,2752 2759,2752
  region: 2001.81,2009.81
  region: 1989.47,2002.12
  region: 1965.05,2023.67
Bottom Layer:
  rectangle net GND: 813,2162 853,2236
  rectangle net NetFB12_2: 814,2260 854,2334
  rectangle net 5V: 2018,1713.85 2086,1770
  rectangle net 5V_Direct: 2018,1477 2087,1534
  region net PGND: 2555.64,398.34 ccw(c2630.84,398.34) 2630.84,323.14 2649.64,323.14 ccw(c2649.64,394.14) 2720.64,394.14 2711.64,455.86 2687,507 cw(c2706.11,522.5) 2681.64,525.05 2681.64,553.15 cw(c2758.29,553.15) 2704.09,607.35 2762.58,665.85 cw(c2816.43,612.01) 2816.43,688.15 2937.6,688.15 ccw(c2937.6,746.19) 2978.64,705.15 ccw(c2937.6,746.19) 2995.64,746.19 2995.64,780.15 3028.64,1052.15 3028.64,1081.25 ccw(c2999.09,1081.25) 3019.98,1102.15 ccw(c2993.43,1075.61) 2993.42,1113.15 2872.44,1113.15 ccw(c2872.43,1065.37) 2838.64,1099.15 2681.64,835.15 2670,807 2555.64,411.15
  region net VBAT: 2440,321 cw(c2440,406) 2355,406 2355,422 2362,448 ccw(c2275.3,530.58) 2395,533.5 2395,722.44 cw(c2432.56,722.44) 2406,749 2562.67,905.67 cw(c2619,849.33) 2619,929 cw(c2619,892.44) 2644.86,918.29 2652.66,910.49 cw(c2635.18,893) 2659.9,893 2659.9,875.32 cw(c2622.68,875.32) 2649,849 2520,484 2512,454.71 2512.48,449.08 ccw(c2533.19,445.99) 2516.37,433.53 cw(c2495.71,415.7) 2523,415.69 2523,395 cw(c2450.59,394.99) 2501.79,343.79 2494,336 cw(c2457.79,372.21) 2457.79,321
  region net MGND: 2840,1491 2948.37,1491 cw(c2948.37,1465.33) 2966.52,1483.48 2974,1476 3022.98,1378 3022.98,1363.91 cw(c2982.09,1363.91) 3011,1335 2726.53,1126 cw(c2714.46,1138.07) 2714.46,1121 2700,1121 cw(c2700,1143.39) 2684.17,1127.56 2676,1135.72 cw(c2690.49,1150.21) 2670,1150.21 2666,1286 cw(c2726.53,1296.93) 2676,1332 cw(c2733.47,1317.2) 2703.3,1368.3 2821,1486 cw(c2830.66,1476.34) 2830.66,1490 2840,1490
  pour cut-out: 2759,3472 2445.47,3472 2445.47,2752 2759,2752
  region net GND: 2604.62,1341.62 2414.84,1325.12 2419.98,1157
  region: 2025,3602
  region: 2309.84,636.99
  region: 2177.16,788.35
  region: 2760.85,445.94
  region: 2177,807.94
  region: 2309.84,636.99
  region: 2185.75,738.94
  region: 2590.98,537.42
  region: 2718,575.94
  region: 2459.38,1175.94
  region: 2459.38,1175.94
  region: 2551,1144.94

## Silkscreen, mask and mechanical layers (free items; w line width, h text height)
Top Overlay:
  circle w7.87: c2656.03,2651.14 r59.06
  circle w7.87: c1868.62,2651.14 r59.06
  circle w7.87: c1868.62,1863.74 r59.06
  circle w7.87: c2656.03,1863.74 r59.06
  circle w7.87: c1711.14,525.16 r98.43
  circle w7.87: c2813.51,525.16 r98.43
  circle w7.87: c2846.42,4410.98 r59.06
  circle w7.87: c2846.42,3662.95 r59.06
  circle w7.87: c2942.64,2257.44 r98.43
  circle w7.87: c3737.92,2257.44 r98.43
  circle w7.87: c2861.74,2858.82 r98.43
  circle w7.87: c1660.95,2858.82 r98.43
  circle w7.87: c1660.95,1658.03 r98.43
  circle w7.87: c2861.74,1658.03 r98.43
  circle w7.87: c978.15,2926.57 r59.06
  circle w7.87: c1225.99,3120.94 r59.06
  circle w7.87: c1468.94,2811.14 r59.06
  circle w7.87: c1221.1,2616.78 r59.06
  circle w7.87: c3303.55,2616.78 r59.06
  circle w7.87: c3546.5,2926.57 r59.06
  circle w7.87: c3298.67,3120.94 r59.06
  circle w7.87: c3055.71,2811.14 r59.06
  circle w7.87: c3298.67,1393.94 r59.06
  circle w7.87: c3546.5,1588.31 r59.06
  circle w7.87: c3305.49,1898 r59.06
  circle w7.87: c3055.71,1703.74 r59.06
  circle w7.87: c1225.99,1393.94 r59.06
  circle w7.87: c1468.94,1703.74 r59.06
  circle w7.87: c1221.1,1898.1 r59.06
  circle w7.87: c978.15,1588.31 r59.06
  lines w7.87: 794.71,1482 1207.73,2008.65 cw(c1300.67,1935.77) 1373.56,2028.71 1559.44,1882.93 cw(c1486.55,1790) 1579.49,1717.11 1166.47,1190.46 ; 794.71,3032.88 1207.73,2506.23 ccw(c1300.67,2579.11) 1373.56,2486.18 1559.44,2631.95 ccw(c1486.55,2724.89) 1579.49,2797.77 1166.47,3324.43 ; 918.63,1384.82 1404.54,2004.41 ; 918.63,3130.06 1404.54,2510.47 ; 1042.55,1287.64 1528.46,1907.23 ; 1042.55,3227.24 1528.46,2607.65 ; 2996.19,1907.23 3482.1,1287.64 ; 2996.19,2607.65 3482.1,3227.24 ; 3120.11,2004.41 3606.02,1384.82 ; 3120.11,2510.47 3606.02,3130.06 ; 3358.18,1190.46 2945.16,1717.11 cw(c3038.1,1790) 2965.21,1882.93 3151.09,2028.71 cw(c3223.98,1935.77) 3316.92,2008.65 3729.94,1482 ; 3358.18,3324.43 2945.16,2797.77 ccw(c3038.1,2724.89) 2965.21,2631.95 3151.09,2486.18 ccw(c3223.98,2579.11) 3316.92,2506.23 3729.94,3032.88
  text "Receiver Out" at 2640,4249 h30
  text "PWM" at 2390,3618 h50 r180
  text "IMU" at 1823,3587 h40 r180
  text "B" at 3009,3435 h50
  text "A" at 2838.74,3428 h50
  text "Micro LED" at 2814,3163 h40
  text "Extra Uart" at 733,2837 h50 r315
  text "Optical" at 3609,2437 h50 r90
  text "Receiver In" at 3714,2117 h30 r135
  text "Laser" at 893,1686 h50 r90
  text "F0 LED" at 1500,1376 h30 r90
  text "3v3 LED" at 1581,1375 h30 r90
  text "5v LED" at 1686,1001 h30 r90
  text "in power LED" at 3053.77,985 h30 r40
  text "F0 Prog" at 1850,530 h30
Bottom Overlay:
  text "ESP Prog" at 2404,3610.92 h40 r180
  text "pixhawk" at 678,1984 h30
  text "Optical" at 3740,1615 h30 r120
Top Solder:
  lines w40: 2269,1243 2424,1457 2524,1457 ; 2277.26,1151.26 2414.24,1151.26 ; 2419.98,1157 2419.98,1300 ; 2424,727 2431.5,719.5 ; 2431.5,412.5 2439,405 ; 2633,419.5 2652.5,400 ; 2707.38,1157 2990,1365.4 2944,1457 2844,1457 2864,1365.4 2707.38,1300 ; 2770,883 2779,892 ; 2826,727 2844,727 2944,727
  lines w50: 2424,727 2524,727 ; 2431.5,412.5 2431.5,719.5 ; 2633,419.5 2633,534 2826,727 ; 2864,1078 2990,1078 2944,727
Bottom Solder:
  lines w10: 1752.76,1359.43 1757.23,1354.96
Mechanical 1:
  circle w7.87: c978.15,1588.31 r39.37
  circle w3.94: c2262.33,2257.44 r1.97
  circle w3.94: c2262.33,2257.44 r1.97
  circle w3.94: c2254.26,2263.77 r1.97
  circle w3.94: c2262.33,2257.44 r1.97
  lines w7.87: 723.8,2978.1 ccw(c845.27,2823.2) 648.42,2823.2 648.42,1692.54 ccw(c845.27,1692.54) 723.8,1537.65 1399.04,1008.1 cw(c1277.56,853.2) 1474.41,853.2 1474.41,486.22 ccw(c1671.26,486.22) 1671.26,289.37 2852.36,289.37 ccw(c2852.36,486.22) 3049.21,486.22 3049.21,853.2 cw(c3246.06,853.2) 3124.59,1008.1 3799.83,1537.65 ccw(c3678.35,1692.54) 3875.2,1692.54 3875.2,2823.2 ccw(c3678.35,2823.2) 3799.83,2978.1 3212.55,3438.67 cw(c3285.43,3531.61) 3167.32,3531.61 3167.32,4529.53 ; 723.8,2978.4 1399.04,3507.95 ; 918.12,3130.5 1042.03,3227.68 ; 1399.04,3507.65 ccw(c1277.56,3662.55) 1474.41,3662.55 1474.41,3781.5 cw(c1553.15,3781.5) 1553.15,3860.24 2406.38,3860.24 ccw(c2406.38,3978.35) 2524.49,3978.35 2524.49,4529.53 ; 1404.54,2510.47 1528.46,2607.65 ; 2996.19,2607.65 3120.11,2510.47 ; 3167.32,3545.28 3167.32,4529.53 ; 3481.59,3227.68 3605.51,3130.5 ; 2524.49,4529.53 3167.32,4529.53 ; 2524.49,4529.53 3167.32,4529.53

## Text inside footprints (layer, text, board x,y; h text height)
U5: Mechanical 13 "CUTOUT POLYGON" at 2695.59,2815.04 h10 r270; Mechanical 13 "ANTENNA AREA" at 2715.59,2815.04 h10 r270